# Altium PCB Vesa-Esp.PcbDoc (continued)
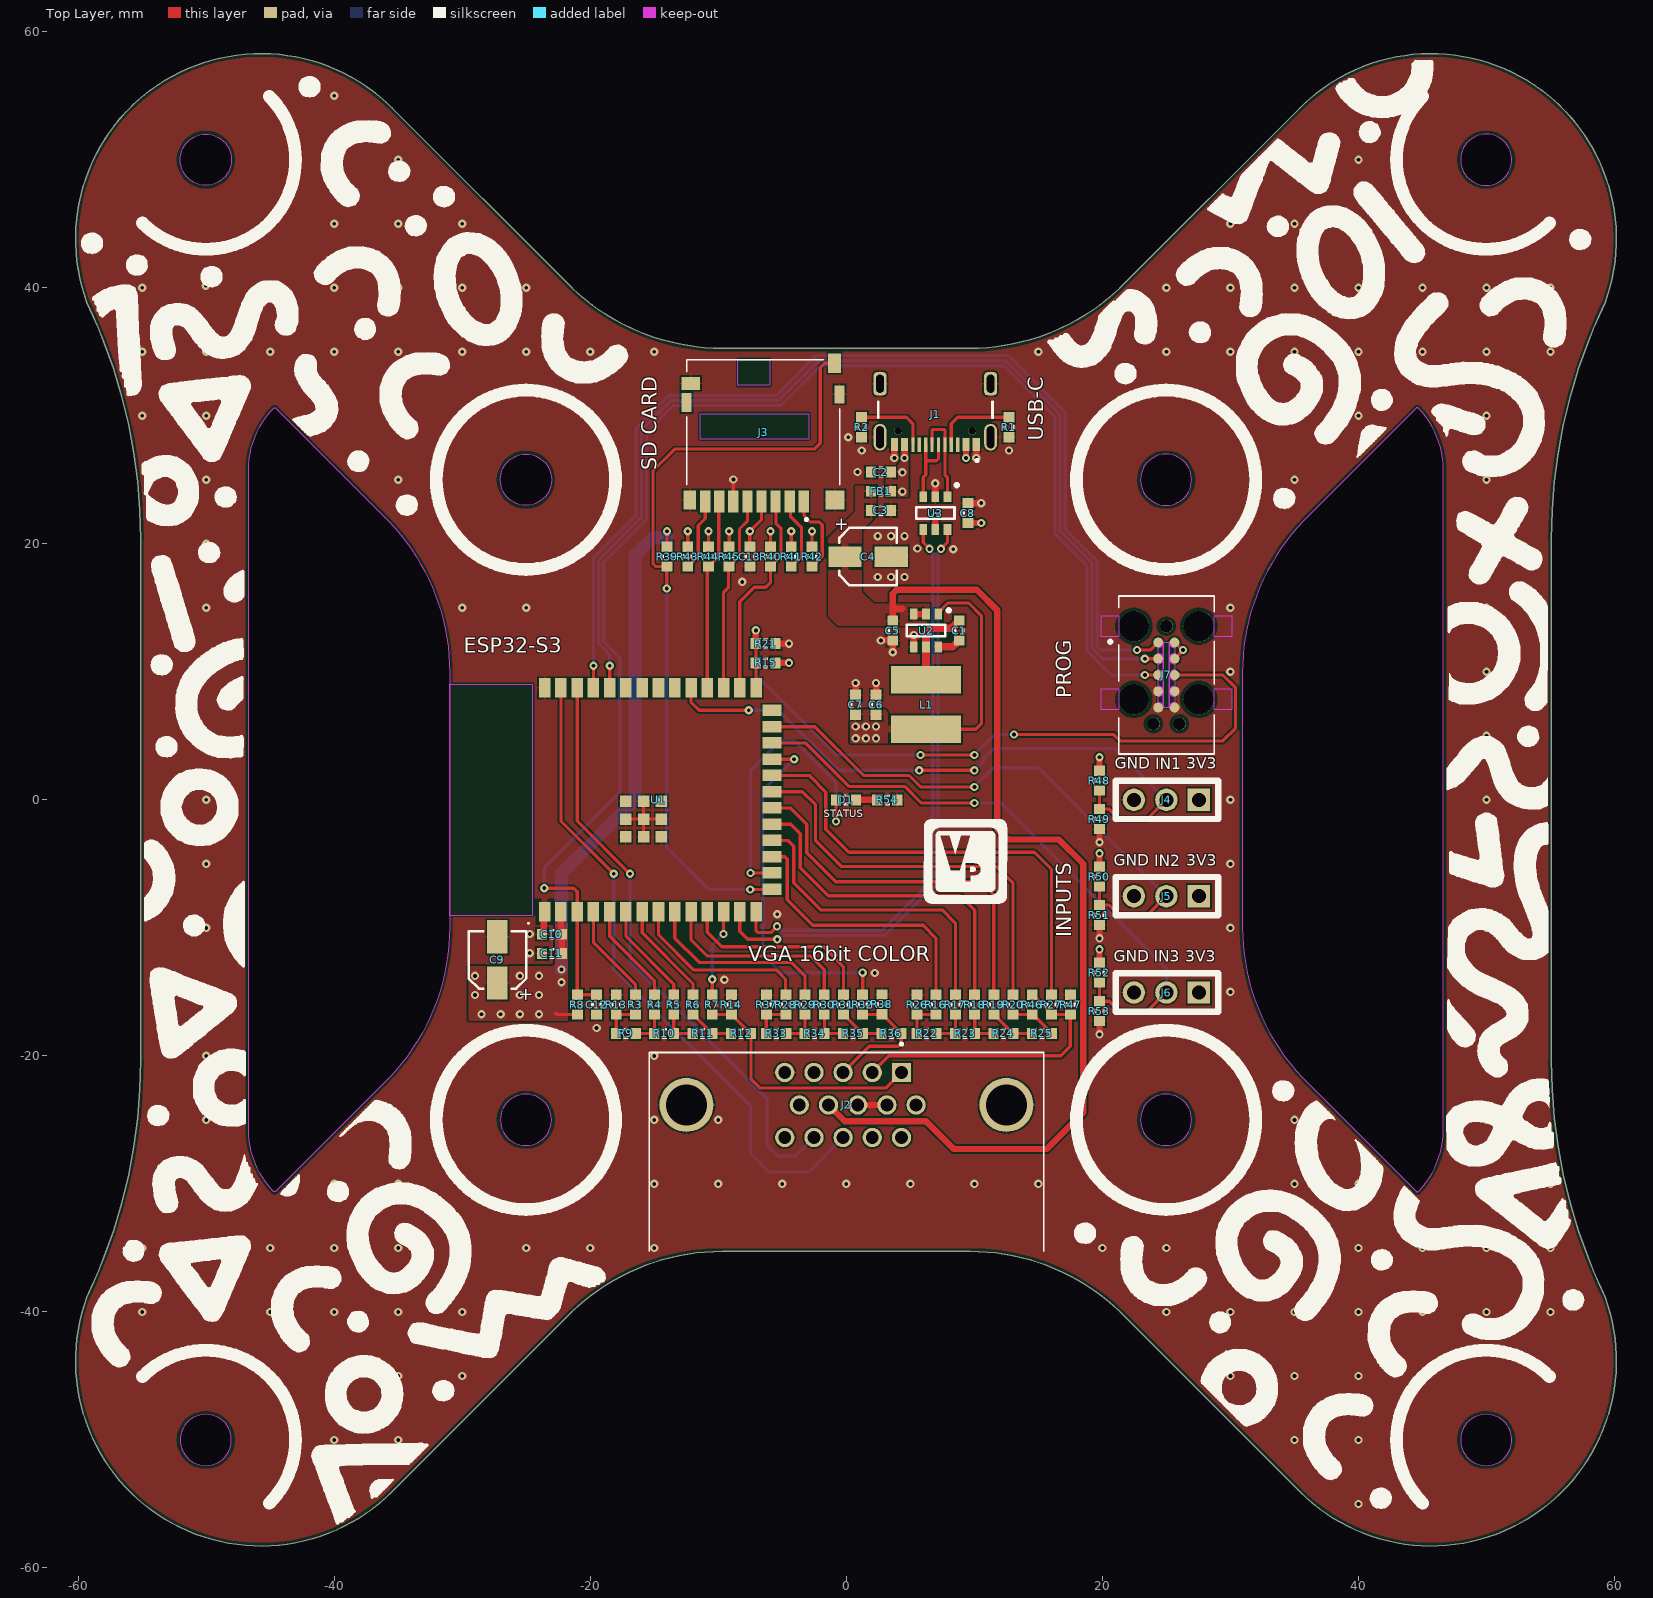
[diagram p0: Top Layer view]
## Footprints (in the part's own frame and the unit in brackets; to place one, negate y for a bottom-side part, rotate by r counter-clockwise, add the part's x,y. Pads: shape width x height; smd on the part's side, far side on the other; paste and mask are expansions set on the pad) (continued)
  Keep-Out Layer region: -0.83,-9.53 -1.61,-9.57 -2.44,-9.69 -3.23,-9.84 -4.02,-10.04 -4.8,-10.28 -5.55,-10.51 -6.3,-10.83 -7.05,-11.18 -7.76,-11.57 -8.43,-12.01 -9.09,-12.44 -9.76,-12.95 -10.35,-13.46 -10.94,-14.06 -11.54,-14.65 -12.05,-15.24 -12.56,-15.91 -12.99,-16.57 -13.43,-17.24 -13.82,-17.95 -14.17,-18.7 -14.49,-19.45 -14.72,-20.2 -14.96,-20.98 -15.16,-21.77 -15.32,-22.56 -15.43,-23.39 -15.47,-24.17 -15.51,-25 -34.49,-25 -34.53,-24.17 -34.57,-23.39 -34.69,-22.56 -34.84,-21.77 -35.04,-20.98 -35.28,-20.2 -35.51,-19.45 -35.83,-18.7 -36.18,-17.95 -36.57,-17.24 -37.01,-16.57 -37.44,-15.91 -37.95,-15.24 -38.46,-14.65 -39.06,-14.06 -39.65,-13.46 -40.24,-12.95 -40.91,-12.44 -41.57,-12.01 -42.24,-11.57 -42.95,-11.18 -43.7,-10.83 -44.45,-10.51 -45.2,-10.28 -45.98,-10.04 -46.77,-9.84 -47.56,-9.69 -48.39,-9.57 -49.17,-9.53 -49.75,-9.5 -50,-9.5 -50,-9.49 -49.75,-9.5 0,-9.49
  Keep-Out Layer region: -50.83,-9.53 -51.61,-9.57 -52.44,-9.69 -53.23,-9.84 -54.02,-10.04 -54.8,-10.28 -55.55,-10.51 -56.3,-10.83 -57.05,-11.18 -57.76,-11.57 -58.43,-12.01 -59.09,-12.44 -59.76,-12.95 -60.35,-13.46 -60.94,-14.06 -61.54,-14.65 -62.05,-15.24 -62.56,-15.91 -62.99,-16.57 -63.43,-17.24 -63.82,-17.95 -64.17,-18.7 -64.49,-19.45 -64.72,-20.2 -64.96,-20.98 -65.16,-21.77 -65.32,-22.56 -65.43,-23.39 -65.47,-24.17 -65.51,-25 -84.49,-25 -84.53,-24.17 -84.57,-23.39 -84.69,-22.56 -84.84,-21.77 -85.04,-20.98 -85.28,-20.2 -85.51,-19.45 -85.83,-18.7 -86.18,-17.95 -86.57,-17.24 -87.01,-16.57 -87.44,-15.91 -87.95,-15.24 -88.46,-14.65 -89.06,-14.06 -89.65,-13.46 -90.24,-12.95 -90.91,-12.44 -91.57,-12.01 -92.24,-11.57 -92.95,-11.18 -93.7,-10.83 -94.45,-10.51 -95.2,-10.28 -95.98,-10.04 -96.77,-9.84 -97.56,-9.69 -98.39,-9.57 -99.17,-9.53 -99.75,-9.5 -100,-9.5 -100,-9.49 -99.75,-9.5 -50,-9.49
  Keep-Out Layer region: 100,-9.5 -100,-9.5 -100,0 -100,9.5 100,9.5
  Keep-Out Layer region: 84.53,24.17 84.57,23.39 84.68,22.56 84.84,21.77 85.04,20.98 85.28,20.2 85.51,19.45 85.83,18.7 86.18,17.95 86.57,17.24 87.01,16.57 87.44,15.91 87.95,15.24 88.46,14.65 89.06,14.06 89.65,13.46 90.24,12.95 90.91,12.44 91.57,12.01 92.24,11.57 92.95,11.18 93.7,10.83 94.45,10.51 95.2,10.28 95.98,10.04 96.77,9.84 97.56,9.68 98.39,9.57 99.17,9.53 99.75,9.5 100,9.5 100,9.49 99.75,9.5 50,9.49 50.83,9.53 51.61,9.57 52.44,9.68 53.23,9.84 54.02,10.04 54.8,10.28 55.55,10.51 56.3,10.83 57.05,11.18 57.76,11.57 58.43,12.01 59.09,12.44 59.76,12.95 60.35,13.46 60.94,14.06 61.54,14.65 62.05,15.24 62.56,15.91 62.99,16.57 63.43,17.24 63.82,17.95 64.17,18.7 64.49,19.45 64.72,20.2 64.96,20.98 65.16,21.77 65.31,22.56 65.43,23.39 65.47,24.17 65.51,25 84.49,25
  Keep-Out Layer region: 34.53,24.17 34.57,23.39 34.68,22.56 34.84,21.77 35.04,20.98 35.28,20.2 35.51,19.45 35.83,18.7 36.18,17.95 36.57,17.24 37.01,16.57 37.44,15.91 37.95,15.24 38.46,14.65 39.06,14.06 39.65,13.46 40.24,12.95 40.91,12.44 41.57,12.01 42.24,11.57 42.95,11.18 43.7,10.83 44.45,10.51 45.2,10.28 45.98,10.04 46.77,9.84 47.56,9.68 48.39,9.57 49.17,9.53 49.75,9.5 50,9.5 50,9.49 49.75,9.5 0,9.49 0.83,9.53 1.61,9.57 2.44,9.68 3.23,9.84 4.02,10.04 4.8,10.28 5.55,10.51 6.3,10.83 7.05,11.18 7.76,11.57 8.43,12.01 9.09,12.44 9.76,12.95 10.35,13.46 10.94,14.06 11.54,14.65 12.05,15.24 12.56,15.91 12.99,16.57 13.43,17.24 13.82,17.95 14.17,18.7 14.49,19.45 14.72,20.2 14.96,20.98 15.16,21.77 15.31,22.56 15.43,23.39 15.47,24.17 15.51,25 34.49,25
  Keep-Out Layer region: -15.47,24.17 -15.43,23.39 -15.32,22.56 -15.16,21.77 -14.96,20.98 -14.72,20.2 -14.49,19.45 -14.17,18.7 -13.82,17.95 -13.43,17.24 -12.99,16.57 -12.56,15.91 -12.05,15.24 -11.54,14.65 -10.94,14.06 -10.35,13.46 -9.76,12.95 -9.09,12.44 -8.43,12.01 -7.76,11.57 -7.05,11.18 -6.3,10.83 -5.55,10.51 -4.8,10.28 -4.02,10.04 -3.23,9.84 -2.44,9.68 -1.61,9.57 -0.83,9.53 -0.25,9.5 0,9.5 0,9.49 -0.25,9.5 -50,9.49 -49.17,9.53 -48.39,9.57 -47.56,9.68 -46.77,9.84 -45.98,10.04 -45.2,10.28 -44.45,10.51 -43.7,10.83 -42.95,11.18 -42.24,11.57 -41.57,12.01 -40.91,12.44 -40.24,12.95 -39.65,13.46 -39.06,14.06 -38.46,14.65 -37.95,15.24 -37.44,15.91 -37.01,16.57 -36.57,17.24 -36.18,17.95 -35.83,18.7 -35.51,19.45 -35.28,20.2 -35.04,20.98 -34.84,21.77 -34.69,22.56 -34.57,23.39 -34.53,24.17 -34.49,25 -15.51,25
  Keep-Out Layer region: -65.47,24.17 -65.43,23.39 -65.32,22.56 -65.16,21.77 -64.96,20.98 -64.72,20.2 -64.49,19.45 -64.17,18.7 -63.82,17.95 -63.43,17.24 -62.99,16.57 -62.56,15.91 -62.05,15.24 -61.54,14.65 -60.94,14.06 -60.35,13.46 -59.76,12.95 -59.09,12.44 -58.43,12.01 -57.76,11.57 -57.05,11.18 -56.3,10.83 -55.55,10.51 -54.8,10.28 -54.02,10.04 -53.23,9.84 -52.44,9.68 -51.61,9.57 -50.83,9.53 -50.25,9.5 -50,9.5 -50,9.49 -50.25,9.5 -100,9.49 -99.17,9.53 -98.39,9.57 -97.56,9.68 -96.77,9.84 -95.98,10.04 -95.2,10.28 -94.45,10.51 -93.7,10.83 -92.95,11.18 -92.24,11.57 -91.57,12.01 -90.91,12.44 -90.24,12.95 -89.65,13.46 -89.06,14.06 -88.46,14.65 -87.95,15.24 -87.44,15.91 -87.01,16.57 -86.57,17.24 -86.18,17.95 -85.83,18.7 -85.51,19.45 -85.28,20.2 -85.04,20.98 -84.84,21.77 -84.69,22.56 -84.57,23.39 -84.53,24.17 -84.49,25 -65.51,25
  Keep-Out Layer region: 49.17,-9.53 48.39,-9.57 47.56,-9.69 46.77,-9.84 45.98,-10.04 45.2,-10.28 44.45,-10.51 43.7,-10.83 42.95,-11.18 42.24,-11.57 41.57,-12.01 40.91,-12.44 40.24,-12.95 39.65,-13.46 39.06,-14.06 38.46,-14.65 37.95,-15.24 37.44,-15.91 37.01,-16.57 36.57,-17.24 36.18,-17.95 35.83,-18.7 35.51,-19.45 35.28,-20.2 35.04,-20.98 34.84,-21.77 34.68,-22.56 34.57,-23.39 34.53,-24.17 34.49,-25 15.51,-25 15.47,-24.17 15.43,-23.39 15.31,-22.56 15.16,-21.77 14.96,-20.98 14.72,-20.2 14.49,-19.45 14.17,-18.7 13.82,-17.95 13.43,-17.24 12.99,-16.57 12.56,-15.91 12.05,-15.24 11.54,-14.65 10.94,-14.06 10.35,-13.46 9.76,-12.95 9.09,-12.44 8.43,-12.01 7.76,-11.57 7.05,-11.18 6.3,-10.83 5.55,-10.51 4.8,-10.28 4.02,-10.04 3.23,-9.84 2.44,-9.69 1.61,-9.57 0.83,-9.53 0.25,-9.5 0,-9.5 0,-9.49 0.25,-9.5 50,-9.49
  Keep-Out Layer region: 99.17,-9.53 98.39,-9.57 97.56,-9.69 96.77,-9.84 95.98,-10.04 95.2,-10.28 94.45,-10.51 93.7,-10.83 92.95,-11.18 92.24,-11.57 91.57,-12.01 90.91,-12.44 90.24,-12.95 89.65,-13.46 89.06,-14.06 88.46,-14.65 87.95,-15.24 87.44,-15.91 87.01,-16.57 86.57,-17.24 86.18,-17.95 85.83,-18.7 85.51,-19.45 85.28,-20.2 85.04,-20.98 84.84,-21.77 84.68,-22.56 84.57,-23.39 84.53,-24.17 84.49,-25 65.51,-25 65.47,-24.17 65.43,-23.39 65.31,-22.56 65.16,-21.77 64.96,-20.98 64.72,-20.2 64.49,-19.45 64.17,-18.7 63.82,-17.95 63.43,-17.24 62.99,-16.57 62.56,-15.91 62.05,-15.24 61.54,-14.65 60.94,-14.06 60.35,-13.46 59.76,-12.95 59.09,-12.44 58.43,-12.01 57.76,-11.57 57.05,-11.18 56.3,-10.83 55.55,-10.51 54.8,-10.28 54.02,-10.04 53.23,-9.84 52.44,-9.69 51.61,-9.57 50.83,-9.53 50.25,-9.5 50,-9.5 50,-9.49 50.25,-9.5 100,-9.49
  Keep-Out Layer region: -0.83,-9.53 -1.61,-9.57 -2.44,-9.69 -3.23,-9.84 -4.02,-10.04 -4.8,-10.28 -5.55,-10.51 -6.3,-10.83 -7.05,-11.18 -7.76,-11.57 -8.43,-12.01 -9.09,-12.44 -9.76,-12.95 -10.35,-13.46 -10.94,-14.06 -11.54,-14.65 -12.05,-15.24 -12.56,-15.91 -12.99,-16.57 -13.43,-17.24 -13.82,-17.95 -14.17,-18.7 -14.49,-19.45 -14.72,-20.2 -14.96,-20.98 -15.16,-21.77 -15.32,-22.56 -15.43,-23.39 -15.47,-24.17 -15.51,-25 -34.49,-25 -34.53,-24.17 -34.57,-23.39 -34.69,-22.56 -34.84,-21.77 -35.04,-20.98 -35.28,-20.2 -35.51,-19.45 -35.83,-18.7 -36.18,-17.95 -36.57,-17.24 -37.01,-16.57 -37.44,-15.91 -37.95,-15.24 -38.46,-14.65 -39.06,-14.06 -39.65,-13.46 -40.24,-12.95 -40.91,-12.44 -41.57,-12.01 -42.24,-11.57 -42.95,-11.18 -43.7,-10.83 -44.45,-10.51 -45.2,-10.28 -45.98,-10.04 -46.77,-9.84 -47.56,-9.69 -48.39,-9.57 -49.17,-9.53 -49.75,-9.5 -50,-9.5 -50,-9.49 -49.75,-9.5 0,-9.49
  Keep-Out Layer region: -50.83,-9.53 -51.61,-9.57 -52.44,-9.69 -53.23,-9.84 -54.02,-10.04 -54.8,-10.28 -55.55,-10.51 -56.3,-10.83 -57.05,-11.18 -57.76,-11.57 -58.43,-12.01 -59.09,-12.44 -59.76,-12.95 -60.35,-13.46 -60.94,-14.06 -61.54,-14.65 -62.05,-15.24 -62.56,-15.91 -62.99,-16.57 -63.43,-17.24 -63.82,-17.95 -64.17,-18.7 -64.49,-19.45 -64.72,-20.2 -64.96,-20.98 -65.16,-21.77 -65.32,-22.56 -65.43,-23.39 -65.47,-24.17 -65.51,-25 -84.49,-25 -84.53,-24.17 -84.57,-23.39 -84.69,-22.56 -84.84,-21.77 -85.04,-20.98 -85.28,-20.2 -85.51,-19.45 -85.83,-18.7 -86.18,-17.95 -86.57,-17.24 -87.01,-16.57 -87.44,-15.91 -87.95,-15.24 -88.46,-14.65 -89.06,-14.06 -89.65,-13.46 -90.24,-12.95 -90.91,-12.44 -91.57,-12.01 -92.24,-11.57 -92.95,-11.18 -93.7,-10.83 -94.45,-10.51 -95.2,-10.28 -95.98,-10.04 -96.77,-9.84 -97.56,-9.69 -98.39,-9.57 -99.17,-9.53 -99.75,-9.5 -100,-9.5 -100,-9.49 -99.75,-9.5 -50,-9.49
  silkscreen extent -243,-177 243,147
USB4105-GF-A [mm]
  rect 0.55x1 smd mask+0.03: A1_B12(-3.2,4.755) A4_B9(-2.4,4.755) B1_A12(3.2,4.755) B4_A9(2.4,4.755)
  rect 0.25x1.15 smd mask+0.03: A5(-1.25,4.755) A6(-0.25,4.755) A7(0.25,4.755) A8(1.25,4.755) B5(1.75,4.755) B6(0.75,4.755) B7(-0.75,4.755) B8(-1.75,4.755)
  oval 1x2.1 hole 0.6 slot 1.7 at 90 deg: SH1(-4.32,4.18) SH2(4.32,4.18)
  rrect50% 1x1.8 hole 0.6 slot 1.4 at 90 deg: SH3(-4.32,0) SH4(4.32,0)
  round 0.6 hole 0.6 unplated mask+0.04: ""(-2.89,3.68) ""(2.89,3.68)
  silkscreen extent -4.47,1.4 4.47,6.1, body extent -4.47,-2.6 4.47,5.11, height 3.31

## Part data
C1 C3 C8 C11 C12 C13: "0.1 µF ±10% 50V Ceramic Capacitor X7R 0603 (1608 Metric)", MPN=GCM188R71H104KA57D
C2: "10000 pF ±10% 100V Ceramic Capacitor X7R 0603 (1608 Metric)", MPN=GCM188R72A103KA37D
C4 C9: "47 µF 16 V Aluminum Electrolytic Capacitors Radial, Can - SMD 2000 Hrs @ 105°C", MPN=865080342006
C5 C6 C7 C10: "22 µF ±20% 6.3V Ceramic Capacitor X5R 0603 (1608 Metric)", MPN=GRM188R60J226MEA0D
D1: library part "LED WHITE", "White LED Indication - Discrete 3.2V 0603 (1608 Metric)", MPN=QBLP601-IW
FB1: "33 Ohms @ 100 MHz 1 Power Line Ferrite Bead 0603 (1608 Metric) 3A 25mOhm", MPN=BLM18PG330SN1D
J1: "USB-C (USB TYPE-C) USB 2.0 Receptacle Connector 24 (16+8 Dummy) Position Surface Mount, Right Angle; Through Hole", MPN=USB4105-GF-A
J2: "15 Position D-Sub, High Density Receptacle, Female Sockets Connector", MPN=ICD15S13E4GX00LF
J3: "10 (8 + 2) Position Card Connector Secure Digital - microSD™ Surface Mount, Right Angle Gold", MPN=DM3D-SF
L1: "FIXED IND 3.9UH 3.6A 65 MOHM SMD", MPN=SDE0604A-3R9M
R1 R2: "5.1 kOhms ±1% 0.1W, 1/10W Chip Resistor 0603 (1608 Metric) Automotive AEC-Q200 Thick Film", MPN=ERJ-3EKF5101V
R3 R4 R5 R6 R7 R13 R16 R17 R18 R19 R20 R26 R27 R28 R29 R30 R31 R32 R37 R47 R54: "300 Ohms ±1% 0.1W, 1/10W Chip Resistor 0603 (1608 Metric) Automotive AEC-Q200 Thick Film", MPN=ERJ-3EKF3000V
R8 R15 R21 R39 R40 R41 R42 R43 R44 R45 R48 R49 R50 R51 R52 R53: "10 kOhms ±1% 0.1W, 1/10W Chip Resistor 0603 (1608 Metric) Automotive AEC-Q200 Thick Film", MPN=ERJ-3EKF1002V
R9 R10 R11 R12 R14 R22 R23 R24 R25 R33 R34 R35 R36 R38 R46: "150 Ohms ±1% 0.1W, 1/10W Chip Resistor 0603 (1608 Metric) Automotive AEC-Q200 Thick Film", MPN=ERJ-3EKF1500V
U1: "Bluetooth, WiFi 802.11b/g/n, Bluetooth v5.0 Transceiver Module 2.4GHz PCB Trace Surface Mount", MPN=ESP32-S3-WROOM-1-N16R8
U2: "Buck Switching Regulator IC Positive Fixed 3.3V 1 Output 2A SOT-23-6 Thin, TSOT-23-6", MPN=AP63203WU-7
U3: "17V Clamp 5A (8/20µs) Ipp Tvs Diode Surface Mount SOT-23-6", MPN=USBLC6-2SC6
J7: MPN=TC2050-IDC

## Via types
v1: diameter 0.65, hole 0.3, Top Layer to Bottom Layer, tented both sides, 270 vias

## Nets (pads, with @x,y where several pads share a name; then routed paths per layer and width w, separated by ;. In a path a pad name is that pad's centre, name@x,y a point inside that pad or via, vN(x,y) a via of type N, cw(c..) or ccw(c..) an arc to the next point about the centre after c; other vN are vias at no path point)
+3V3: C6.2 C7.2 C9.1 C10.2 C11.2 C13.2 J3.4 J4.1 J5.1 J6.1 J7.9 J7.10 L1.2 R8.1 R15.1 R39.1 R40.1 R41.1 R42.1 R43.1 R44.1 R45.1 R48.1 R50.1 R52.1 U1.2 U2.1 | length 78.3
  Top Layer w0.254: -22.7,-16.675 -22.6,-16.775 R8.1 ; R39.1 v1(-14,20.975) ; R43.1 v1(-12.387,20.975) ; R44.1 v1(-10.769,20.975) ; R45.1 v1(-9.151,20.975) ; C13.2 v1(-7.534,20.975) -6.625,21.884 J3.4 ; R40.1 v1(-5.916,20.975) ; R41.1 v1(-4.298,20.975) ; R42.1 v1(-2.681,20.975) ; L1.2 10.12,5.52 10.55,5.95 10.55,14.375 9.55,15.375 7.925,15.375 7.175,14.625 U2.1 ; J7.9 25.635,11.022 26.3,11.687 v1(26.3,11.7) 26.262,11.7 25.672,12.29 J7.10
  Top Layer w0.5: R15.1 v1(-4.48,10.7) ; R52.1 v1(19.775,-11.68) ; R50.1 v1(19.775,-4.18) ; R48.1 v1(19.775,3.32)
  Top Layer w0.508: U1.2 -22.29,-10.435 C10.2 C11.2
  Bottom Layer w1: v1(-22.25,-13.25) -22.25,-5.75 -16.5,0 -16.5,19.1 -15.1,20.5 -14,20.5
  other v1: -28.5,-16.75 -27,-16.75 -25.5,-16.75 -24,-16.75 -29,-15.25 -25.5,-15.25 -24,-15.25 -22.25,-14.25 -29,-13.75 -25.5,-13.75 -24,-13.75 0.725,4.8 1.525,4.8 2.325,4.8 0.725,5.725 1.525,5.725 2.325,5.725
+5V: C3.2 C4.1 C5.2 FB1.2 J2.9 U2.2 U2.3 | length 79.8
  Top Layer w0.5: J2.9 -0.125,-25.1 6.222,-25.1 8.397,-27.275 15.65,-27.275 18.5,-24.425 18.5,-5 16.6,-3.1 12.6,-3.1 11.775,-2.275 11.775,14.825 10.2,16.4 3.918,16.4 3.625,16.107 3.625,14.925 ; C5.2 3.625,14.925 ; 4.375,14.925 3.625,14.925 ; U2.3 U2.2 6.225,14.625 U2.2@6.175,14.675
ESP_EN: C12.2 J7.3 R8.2 U1.3 | length 113.5
  Top Layer w0.254: v1(-23.6,-6.9) -21.3,-6.9 -21.02,-7.18 -21.02,-15.205 R8.2 C12.2 ; v1(23.32,9.75) J7.3
  Bottom Layer w0.254: v1(-23.6,-6.9) -23.6,-5.3 -17.7,0.6 -17.7,11.114 -18.942,12.356 -18.942,18.558 -15.6,21.9 -15.6,28.7 -13.5,30.8 -5.1,30.8 -2,33.9 12.3,33.9 16.292,29.908 16.292,20.808 18.79,18.31 18.79,11.667 20.707,9.75 v1(23.32,9.75)
ESP_RXD0: J7.2 U1.36 | length 83.3
  Top Layer w0.254: U1.36 v1(-18.48,10.475) ; v1(23.32,11.02) J7.2
  Bottom Layer w0.254: v1(-18.48,10.475) -18.48,11.322 -19.346,12.188 -19.346,18.725 -16.004,22.067 -16.004,28.867 -13.667,31.204 -5.267,31.204 -2.167,34.304 12.467,34.304 16.696,30.075 16.696,20.975 19.194,18.477 19.194,11.834 20.009,11.02 v1(23.32,11.02)
ESP_TXD0: J7.1 U1.37 | length 83.8
  Top Layer w0.254: U1.37 v1(-19.75,10.475) ; v1(22.7,11.7) 23.727,11.7 24.317,12.29 J7.1
  Bottom Layer w0.254: v1(-19.75,10.475) -19.75,18.893 -16.408,22.235 -16.408,29.035 -13.835,31.608 -5.435,31.608 -2.335,34.708 12.635,34.708 17.1,30.243 17.1,21.143 19.598,18.644 19.598,12.002 19.9,11.7 v1(22.7,11.7)
ESP_USB_D_N: U1.13 U3.6 | length 47
  Top Layer w0.254: U1.13 -8.32,-10.28 -7.7,-10.9 v1(-5.4,-10.9) ; v1(7.4,19.6) 7.9,20.1 U3.6
  Bottom Layer w0.254: v1(-5.4,-10.9) -5.378,-10.9 -5.078,-10.6 2.971,-10.6 7.154,-6.417 7.154,19.278 7.4,19.524 v1(7.4,19.6)
ESP_USB_D_P: U1.14 U3.4 | length 45
  Top Layer w0.254: U1.14 -7.05,-10.217 -6.901,-10.366 -5.903,-10.366 v1(-5.419,-9.882) ; U3.4 6,20.1 v1(6.5,19.6)
  Bottom Layer w0.254: v1(-5.419,-9.882) -5.411,-9.882 -5.097,-10.196 2.804,-10.196 6.75,-6.25 6.75,19.256 6.5,19.506 v1(6.5,19.6)
GND: C2.1 C3.1 C4.2 C5.1 C6.1 C7.1 C8.1 C9.2 C10.1 C11.1 C12.1 C13.1 J1.A1_B12 J1.B1_A12 J1.SH1 J1.SH2 J1.SH3 J1.SH4 J2.5 J2.6 J2.7 J2.8 J2.10 J2.S1 J2.S2 J3.6 J3.S1 J3.S2 J3.S3 J3.S4 J3.SW-B J4.3 J5.3 J6.3 J7.4 J7.5 J7.6 J7.7 R1.1 R2.1 R13.1 R14.2 R21.2 R26.1 R37.1 R38.2 R47.1 R49.2 R51.2 R53.2 R54.1 U1.1 U1.40 U1.41 U2.4 U3.2 | length 24.4
  Top Layer w0.254: U1.41@-17.24,-1.5 U1.41@-15.84,-1.5 ; U1.41@-15.84,-2.9 U1.41@-15.84,-1.5 ; U1.41@-15.84,-0.1 U1.41@-15.84,-1.5 ; U1.41@-14.44,-1.5 U1.41@-15.84,-1.5 ; J3.6 v1(-8.825,25.025)
  Top Layer w0.5: C10.1 -23.625,-10.35 -23.625,-8.815 U1.1 ; R21.2 v1(-4.48,12.2) ; C7.1 v1(0.725,9.125) ; J2.8 J2.7 ; C6.1 v1(2.325,9.125) ; v1(2.7,12.45) C5.1 v1(3.625,11.525) ; v1(3.75,26.7) J1.B1_A12 ; U2.4 v1(5.275,12.875) ; U3.2 v1(6.95,24.72) ; C8.1 v1(10.545,23.175) ; v1(10.15,26.7) J1.A1_B12 ; v1(19.775,-18.32) R53.2 ; v1(19.775,-10.82) R51.2 ; v1(19.775,-3.32) R49.2
  other v1: -45,-55 -40,-55 40,-55 45,-55 -40,-50 -35,-50 35,-50 40,-50 -55,-45 -45,-45 -40,-45 -35,-45 -30,-45 30,-45 35,-45 40,-45 45,-45 55,-45 -55,-40 -50,-40 -45,-40 -40,-40 -35,-40 -30,-40 -25,-40 25,-40 30,-40 35,-40 40,-40 45,-40 50,-40 55,-40 -55,-35 -50,-35 -45,-35 -40,-35 -35,-35 -30,-35 -25,-35 -20,-35 -15,-35 20,-35 25,-35 30,-35 35,-35 40,-35 45,-35 50,-35 55,-35 50.166,-30.714 -50,-30 -40,-30 -35,-30 -30,-30 -20,-30 -15,-30 -10,-30 -5,-30 0,-30 5,-30 10,-30 15,-30 20,-30 30,-30 35,-30 40,-30 55,-30 -50,-25 -35,-25 -15,-25 -10,-25 35,-25 50,-25 -50,-20 -30,-20 -20,-20 -15,-20 20,-20 30,-20 50,-20 -19.5,-17.82 -50,-15 30,-15 50,-15 -9.525,-14.05 2.225,-13.525 -24.725,-11.975 -24.725,-10.475 -50,-10 30,-10 50,-10 -5.394,-8.932 -50,-5 30,-5 50,-5 -50,0 30,0 50,0 -50,5 50,5 -50,10 30,10 50,10 -50,15 -30,15 -25,15 30,15 50,15 -8.125,17.025 2.455,17.405 3.5,17.405 4.545,17.405 8.35,19.575 5.55,19.625 -50,20 -30,20 20,20 30,20 50,20 2.455,20.595 3.5,20.595 4.545,20.595 -50,25 -35,25 35,25 50,25 0.88,25.6 1.2,27.28 12.7,27.28 0.155,28.325 -55,30 -50,30 -35,30 -30,30 -20,30 20,30 30,30 35,30 40,30 50,30 -55,35 -50,35 -45,35 -40,35 -35,35 -30,35 -25,35 -20,35 -15,35 15,35 20,35 25,35 30,35 35,35 40,35 45,35 50,35 55,35 -55,40 -45,40 -40,40 -35,40 -30,40 -25,40 25,40 30,40 35,40 40,40 45,40 50,40 55,40 -50.032,40.159 -55,45 -45,45 -40,45 -35,45 -30,45 30,45 35,45 40,45 45,45 55,45 -40,50 -35,50 35,50 40,50 -45,55 -40,55 40,55 45,55
INDICATION: D1.1 U1.16 | length 23.4
  Top Layer w0.254: v1(-7.485,-5.715) U1.16 ; v1(-0.8,-1.685) D1.1
  Bottom Layer w0.254: v1(-7.485,-5.715) -7.485,2.29 -5.2,4.575 -4.025,4.575 -0.8,1.35 v1(-0.8,-1.685)
INPUT_1: J4.2 R48.2 R49.1 U1.31 | length 50.6
  Top Layer w0.254: U1.31 -12.13,7.63 -11.5,7 v1(-7.625,7) ; v1(5.7,2.3) v1(10,2.3) ; R48.2 R49.1 20.55,-0.725 21.325,-1.5 23.5,-1.5 J4.2
  Bottom Layer w0.254: v1(-7.625,7) -5.3,7 -0.6,2.3 v1(5.7,2.3) ; v1(10,2.3) 10.733,3.033 10.733,3.233 11.5,4 21,4 J4.2
INPUT_2: J5.2 R50.2 R51.1 U1.25 | length 45.1
  Top Layer w0.254: U1.25 -2.465,5.715 1.35,1.9 4.9,1.9 5.8,1 v1(10,1) ; R50.2 R51.1 20.525,-8.225 21.3,-9 23.5,-9 J5.2@25,-7.5
  Bottom Layer w0.254: v1(10,1) 11.5,2.5 14.975,2.5 J5.2
INPUT_3: J6.2 R52.2 R53.1 U1.24 | length 47.6
  Top Layer w0.254: U1.24 -3.195,4.445 0.2,1.05 4.55,1.05 5.85,-0.25 v1(10,-0.25) ; R52.2 R53.1 20.55,-15.725 21.325,-16.5 23.5,-16.5 J6.2@25,-15
  Bottom Layer w0.254: v1(10,-0.25) 12.05,-0.25 25,-13.2 J6.2
IO0_BOOT: J7.8 R15.2 R21.1 U1.27 | length 57.4
  Top Layer w0.254: R21.1 -7.05,12.175 U1.27 ; v1(5.8,3.5) v1(10,3.5) ; v1(13.1,5.1) 20.9,5.1 21.4,4.6 29.4,4.6 30.402,5.602 30.402,8.75 29.402,9.75 J7.8@25.9,9.75
  Top Layer w0.5: R21.1@-7.062,12.188 v1(-7.063,13.233)
  Bottom Layer w0.254: v1(-7.063,13.233) -7.063,9.763 -0.8,3.5 v1(5.8,3.5) ; v1(10,3.5) 11.6,5.1 v1(13.1,5.1)
NetC1_1: C1.1 L1.1 U2.5 | length 6.7
  Top Layer w0.6: L1.1 6.225,13.053 6.576,13.404 8.204,13.404 8.7,13.9 8.725,13.9 C1.1
NetC1_2: C1.2 U2.6 | length 1.9
  Top Layer w0.6: U2.6 8.325,11.95 8.7,12.325 8.7,12.35 8.8,12.45 C1.2
NetD1_2: D1.2 R54.2 | length 1.7
  Top Layer w0.5: D1.2 R54.2
NetJ1_A5: J1.A5 R1.2 | length 6.3
  Top Layer w0.254: J1.A5 8.2,29.375 8.7,29.875 R1.2
NetJ1_B5: J1.B5 R2.2 | length 5.8
  Top Layer w0.254: R2.2 4.7,29.875 5.2,29.375 J1.B5
NetR3_2: R3.2 R9.1 R13.2 | length 3
  Top Layer w0.254: R9.1 -17.975,-18.225 R13.2 R3.2
NetR4_2: R4.2 R9.2 R10.1 | length 2.9
  Top Layer w0.254: R9.2 R10.1 -14.975,-18.225 R4.2
NetR5_2: R5.2 R10.2 R11.1 | length 2.9
  Top Layer w0.254: R5.2 -13.475,-18.225 R10.2 R11.1
NetR6_2: R6.2 R11.2 R12.1 | length 3.6
  Top Layer w0.254: R6.2 -11.95,-16.775 -10.773,-17.952 -10.723,-17.952 -10.45,-18.225 R11.2 R12.1
NetR16_2: R16.2 R22.1 R26.2 | length 3
  Top Layer w0.254: R22.1 5.525,-18.225 R26.2 R16.2
NetR17_2: R17.2 R22.2 R23.1 | length 2.9
  Top Layer w0.254: R22.2 R23.1 8.525,-18.225 R17.2
NetR18_2: R18.2 R23.2 R24.1 | length 2.9
  Top Layer w0.254: R18.2 10.025,-18.225 R23.2 R24.1
NetR19_2: R19.2 R24.2 R25.1 | length 3.6
  Top Layer w0.254: R19.2 11.55,-16.775 12.727,-17.952 12.777,-17.952 13.05,-18.225 R24.2 R25.1
NetR20_2: R20.2 R25.2 R46.1 | length 3.7
  Top Layer w0.254: R20.2 R46.1 14.798,-17.048 14.873,-17.048 16.05,-18.225 R25.2
NetR28_2: R28.2 R33.1 R37.2 | length 3
  Top Layer w0.254: R33.1 -6.25,-16.8 R37.2 R28.2
NetR29_2: R29.2 R33.2 R34.1 | length 2.9
  Top Layer w0.254: R33.2 R34.1 -3.225,-18.225 R29.2
NetR30_2: R30.2 R34.2 R35.1 | length 2.9
  Top Layer w0.254: R30.2 -1.7,-16.8 R34.2 R35.1
NetR31_2: R31.2 R35.2 R36.1 | length 3.6
  Top Layer w0.254: R31.2 -0.2,-16.775 0.977,-17.952 1.027,-17.952 1.3,-18.225 R35.2 R36.1
SD_CLK: J3.5 R45.2 U1.29 | length 15.3
  Top Layer w0.254: U1.29 -9.59,16.21 -9.2,16.6 -9.2,18.176 R45.2 ; R45.2@-9.126,18.225 -8.345,19.006 -8.345,21.155 -7.725,21.775 J3.5
SD_CMD: J3.3 R40.2 U1.28 | length 16.6
  Top Layer w0.254: U1.28 -8.32,15.48 -7.2,16.6 -6.3,16.6 -5.916,16.984 R40.2 ; R40.2@-5.891,18.225 -5.11,19.006 -5.11,21.21 -5.5,21.6 -5.5,23.275 J3.3
SD_DAT0: J3.7 R44.2 U1.30 | length 14.9
  Top Layer w0.254: U1.30 -10.86,18.109 -9.963,19.006 -9.963,23.262 J3.7
SD_DAT1: J3.8 R43.2 | length 5.7
  Top Layer w0.254: R43.2 -12.362,18.225 -11.575,19.012 -11.575,21.425 -11.025,21.975 J3.8
SD_DAT2: J3.1 R42.2 | length 6.4
  Top Layer w0.254: J3.1 -3.3,23.275 -3.3,22.2 -2.8,21.7 -2.1,21.7 -1.875,21.475 -1.875,19.006 R42.2@-2.656,18.225
SD_DAT3: J3.2 R41.2 | length 5.8
  Top Layer w0.254: J3.2 -4.352,23.227 -4.352,22.102 -3.492,21.242 -3.492,19.006 R41.2@-4.273,18.225
SD_SW: J3.SW-A R39.2 U1.15 | length 61.1
  Top Layer w0.254: v1(-14.025,16.5) R39.2@-14.025,18.225 ; R39.2 -14.9,18.225 -15.1,18.425 -15.1,25.7 -13.4,27.4 -2.5,27.4 -2.033,27.867 -2.033,33.767 -1.7,34.1 J3.SW-A ; v1(-7.5,-7) -5.815,-7 U1.15
  Bottom Layer w0.254: v1(-14.025,16.5) -14.025,-3.725 -10.75,-7 v1(-7.5,-7)
USB_D_N: J1.A7 J1.B7 U3.1 | length 7.5
  Top Layer w0.254: J1.A7 6.7,28.875 6.75,28.925 7.65,28.925 7.7,28.875 J1.B7 7.7,25.4 7.9,25.2 U3.1
USB_D_P: J1.A6 J1.B6 U3.3 | length 6.2
  Top Layer w0.254: U3.3 6,25.2 6.2,25.4 J1.B6 ; 6.322,26.475 7.025,26.475 7.2,26.65 J1.A6
VBUS: C2.2 C8.2 FB1.1 J1.A4_B9 J1.B4_A9 U3.5 | length 4.2
  Top Layer w0.5: v1(4.55,26.7) J1.B4_A9 ; U3.5 v1(6.95,22.17) ; v1(9.35,26.7) J1.A4_B9 ; C8.2 v1(10.545,21.625)
  other v1: 4.375,24.075 4.375,25.575
VGA_B0: R28.1 U1.8 | length 14.4
  Top Layer w0.254: U1.8 -14.67,-10.53 -11.9,-13.3 -5.45,-13.3 -4.75,-14 -4.75,-15.2 R28.1
VGA_B1: R29.1 U1.9 | length 14.9
  Top Layer w0.254: U1.9 -13.4,-10.8 -11.5,-12.7 -4.3,-12.7 -3.225,-13.775 R29.1
VGA_B2: R30.1 U1.10 | length 15.5
  Top Layer w0.254: U1.10 -12.13,-10.933 -10.863,-12.2 -2.8,-12.2 -1.725,-13.275 R30.1
VGA_B3: R31.1 U1.11 | length 15.5
  Top Layer w0.254: U1.11 -10.86,-10.34 -9.715,-11.485 -1.765,-11.485 -0.225,-13.025 R31.1
VGA_B4: R32.1 U1.23 | length 28.1
  Top Layer w0.254: U1.23 v1(-4.075,3.175) ; R32.1 v1(1.275,-13.5)
  Bottom Layer w0.254: v1(-4.075,3.175) -6.5,0.75 -6.5,-12.1 -5.1,-13.5 v1(1.275,-13.5)
VGA_BLUE: J2.3 R32.2 R36.2 R38.1 | length 9.9
  Top Layer w0.254: J2.3 1.795,-19.25 4.05,-19.25 4.3,-19 4.3,-18.225 4.027,-17.952 4.002,-17.952 2.8,-16.75 R38.1 2.75,-16.775 R32.2
VGA_G0: R16.1 U1.17 | length 21.7
  Top Layer w0.254: U1.17 -4.805,-4.445 -4.615,-4.635 -4.615,-7.822 -2.637,-9.8 6,-9.8 7,-10.8 R16.1
VGA_G1: R17.1 U1.18 | length 24.3
  Top Layer w0.254: U1.18 -4.575,-3.175 -4.107,-3.643 -4.107,-6.493 -2,-8.6 7.5,-8.6 8.525,-9.625 R17.1
VGA_G2: R18.1 U1.19 | length 26.8
  Top Layer w0.254: U1.19 -4.345,-1.905 -3.599,-2.651 -3.599,-5.301 -1.4,-7.5 8.9,-7.5 10.025,-8.625 R18.1
VGA_G3: R19.1 U1.20 | length 29.2
  Top Layer w0.254: U1.20 -4.365,-0.635 -3.1,-1.9 -3.1,-4.125 -0.825,-6.4 10.5,-6.4 11.525,-7.425 R19.1
VGA_G4: R20.1 U1.21 | length 32.1
  Top Layer w0.254: U1.21 -3.435,0.635 -2.4,-0.4 -2.4,-3.2 -0.4,-5.2 11.7,-5.2 13.025,-6.525 R20.1
VGA_G5: R27.1 U1.22 | length 36.4
  Top Layer w0.254: U1.22 -2.905,1.905 -1.6,0.6 -1.6,-2.3 0.2,-4.1 14.7,-4.1 16.025,-5.425 R27.1
VGA_GREEN: J2.2 R27.2 R46.2 R47.2 | length 22.5
  Top Layer w0.254: J2.2 3.325,-20 16.75,-20 17.5,-19.25 17.5,-16.8 R47.2 R27.2 16,-16.775 15.727,-16.502 15.727,-16.402 14.55,-15.225 R46.2
VGA_HSYNC: J2.13 U1.39 | length 51.5
  Top Layer w0.254: U1.39 -22.29,-1.655 v1(-18.17,-5.775)
  Bottom Layer w0.254: v1(-18.17,-5.775) -18.17,-13.255 -7.475,-23.95 -7.475,-27.625 -6.025,-29.075 -2.95,-29.075 J2.13
VGA_R0: R3.1 U1.4 | length 7.8
  Top Layer w0.254: U1.4 -19.75,-11.141 -16.475,-14.416 R3.1
VGA_R1: R4.1 U1.5 | length 7.9
  Top Layer w0.254: U1.5 -18.48,-10.67 -14.975,-14.175 R4.1
VGA_R2: R5.1 U1.6 | length 8
  Top Layer w0.254: U1.6 -17.21,-10.665 -13.475,-14.4 R5.1
VGA_R3: R6.1 U1.7 | length 8.1
  Top Layer w0.254: U1.7 -15.94,-10.385 -11.975,-14.35 R6.1
VGA_R4: R7.1 U1.12 | length 6.8
  Top Layer w0.254: R7.1 v1(-10.475,-14.025) ; v1(-9.59,-10.475) U1.12
  Bottom Layer w0.254: v1(-10.475,-14.025) -10.475,-11.36 v1(-9.59,-10.475)
VGA_RED: J2.1 R7.2 R12.2 R14.1 | length 19.7
  Top Layer w0.254: R7.2 R14.1 -8.95,-16.775 -7.773,-17.952 -7.723,-17.952 -7.45,-18.225 R12.2 -7.45,-21.8 -6.75,-22.5 3.105,-22.5 J2.1
VGA_VSYNC: J2.14 U1.38 | length 46.5
  Top Layer w0.254: U1.38 -21.02,-1.655 v1(-16.9,-5.775)
  Bottom Layer w0.254: v1(-16.9,-5.775) -16.9,-12.6 -6.2,-23.3 -6.2,-26.975 -5.325,-27.85 -4.005,-27.85 J2.14
pads on no net: J1. J1.A8 J1.B8 J2.4 J2.11 J2.12 J2.15 J7. U1.26 U1.32 U1.33 U1.34 U1.35

## Polygon pours and split planes (outlines as drawn)
GND on Top Layer "GND_L01_P008" (solid, remove dead copper, pour order 8): -62.771,58.775 60.175,58.775 60.175,-58.425 -60.473,-58.425
+3V3 on Top Layer "+3V3_L01_P001" (solid, remove dead copper, pour order 1): 0.3,7.05 3.025,7.05 3.475,6.6 8.975,6.6 8.975,4.425 0.3,4.425 0.3,6.225
VBUS on Top Layer "VBUS_L01_P003" (solid, remove dead copper, pour order 3): 3.075,26.025 3.075,23.675 4.85,23.675 4.85,27.35 4.25,27.35 4.25,26.4 3.875,26.025
+5V on Top Layer "+5V_L01_P002" (solid, remove dead copper, pour order 2): 3.2,15.3 2.125,15.3 1.2,16.225 1.2,21.05 2.325,22.175 2.325,24.525 0.7,24.525 0.7,22.525 -1.4,20.425 -1.4,14.35 -0.65,13.6 6.05,13.6 6.525,14.075 6.525,15.3
+3V3 on Top Layer "+3V3_L01_P004" (solid, remove dead copper, pour order 4): -29.5,-13 -22.95,-13 -22.75,-12.8 -22.75,-8 -21.75,-8 -21.75,-17.25 -29.5,-17.25
+3V3 on Bottom Layer "+3V3_L02_P000" (solid, remove dead copper, pour order 0): 14.5,34 17.75,30.75 17.75,20.25 28.75,9.25 28.75,-16.775 18.5,-16.775 18.5,5.5 13.625,10.375 13.625,28.875 12.5,30 1,30 -1,28 -1,8.5 1.2,6.3 2.9,6.3 2.9,4 0,4 -4.875,8.875 -4.875,18.375 -6,19.5 -14.5,19.5 -14.5,30.465 -10.965,34
GND on Bottom Layer "GND_L02_P010" (solid, remove dead copper, pour order 10): -65,65 65,65 65,-62.5 -62.5,-62.5
VBUS on Bottom Layer "VBUS_L02_P009" (solid, remove dead copper, pour order 9): 2.63,21.075 11.27,21.075 11.27,27.3 2.63,27.3
+3V3 on Bottom Layer "+3V3_L02_P007" (solid, remove dead copper, pour order 7): -30,-12.5 -30,-17.5 -21.5,-17.5 -21.5,-12.5

## Keep-outs
Keep-Out Layer:
  rectangle: -31,-9 -24.5,9

## Silkscreen, mask and mechanical layers (free items; w line width, h text height)
Top Overlay:
  drawing of 102 lines, arcs and shapes, not listed
  text "USB-C" at 15.766,28.051 h2 r90
  text "SD CARD" at -14.434,25.749 h2 r90
  text "+" at -0.941,21.071 h1
  text "ESP32-S3" at -29.876,11.109 h2
  text "PROG" at 17.969,7.951 h2 r90
  text "GND" at 20.976,2.12 h1.5
  text "3V3" at 26.561,2.126 h1.5
  text "IN1" at 24.147,2.092 h1.5
  text "STATUS" at -1.775,-1.57 h1
  text "3V3" at 26.561,-5.474 h1.5
  text "GND" at 20.876,-5.48 h1.5
  text "IN2" at 24.036,-5.483 h1.5
  text "INPUTS" at 17.969,-10.727 h2 r90
  text "GND" at 20.876,-12.98 h1.5
  text "IN3" at 24.031,-12.974 h1.5
  text "3V3" at 26.461,-12.974 h1.5
  text "VGA 16bit COLOR" at -7.656,-13.016 h2
Bottom Overlay:
  drawing of 172 lines, arcs and shapes, not listed
  text "WayWayWay" at -38.014,25.42 h1 r315
Top Solder:
  circle w4: c24.975,25 r3.5
  circle w4: c49.975,-50 r3.5
  circle w4: c24.975,-25 r3.5
  circle w4: c49.975,50 r3.5
  circle w4: c-50.025,50 r3.5
  circle w4: c-25.025,25 r3.5
  circle w4: c-25.025,-25 r3.5
  circle w4: c-50.025,-50 r3.5
Bottom Solder:
  circle w4: c49.975,-50 r3.5
  circle w4: c-50.025,-50 r3.5
  circle w4: c-50.025,50 r3.5
  circle w4: c49.975,50 r3.5
  circle w4: c24.975,-25 r3.5
  circle w4: c-25.025,-25 r3.5
  circle w4: c-25.025,25 r3.5
  circle w4: c24.975,25 r3.5
Mechanical 13:
  circle w0.254: c49.975,-50 r2.002
  circle w0.254: c24.975,-25 r2
  circle w0.254: c-25.025,-25 r2
  circle w0.254: c-50.025,-50 r2.01
  circle w0.254: c-50.025,50 r2
  circle w0.254: c49.975,50 r2
  circle w0.254: c-25.025,25 r2
  circle w0.254: c24.975,25 r2.01
  lines w0.2: -46.56,-25.739 -46.56,25.739 cw(c-39.673,25.739) -44.65,30.499 -35.817,21.666 cw(c-48.126,9.923) -31.114,9.923 -31.114,-9.929 ; -46.56,-25.723 ccw(c-39.673,-25.723) -44.65,-30.483 -35.817,-21.65 ccw(c-48.126,-9.907) -31.114,-9.907 ; 31.064,-9.929 31.064,9.923 cw(c48.076,9.923) 35.767,21.666 44.6,30.499 cw(c39.623,25.739) 46.51,25.739 ; 31.064,-9.907 ccw(c48.076,-9.907) 35.767,-21.65 44.6,-30.483 ccw(c39.623,-25.723) 46.51,-25.723 ; 46.51,-25.739 46.51,25.739 ; -59.328,-38.855 ccw(c-97.864,-20.365) -55.122,-20.365 -55.122,20.365 ccw(c-97.864,20.365) -59.328,38.855 cw(c-45.722,43.807) -35.484,54.045 -21.415,39.975 ccw(c-9.694,52.229) -9.694,35.272 9.644,35.272 ccw(c9.644,52.229) 21.365,39.975 35.434,54.045 cw(c45.672,43.807) 59.278,38.855 ccw(c97.814,20.365) 55.072,20.365 55.072,-20.365 ccw(c97.814,-20.365) 59.278,-38.855 cw(c45.672,-43.807) 35.434,-54.045 21.365,-39.975 ccw(c9.644,-52.229) 9.644,-35.272 -9.694,-35.272 ccw(c-9.694,-52.229) -21.415,-39.975 -35.484,-54.045 cw(c-45.722,-43.807) -59.328,-38.855

## Text inside footprints (layer, text, board x,y; h text height)
C9: Top Overlay "+" at -25.472,-14.659 h1 r270